# Altium PCB Prototipo1A.PcbDoc (part 1 of 2) (continued)
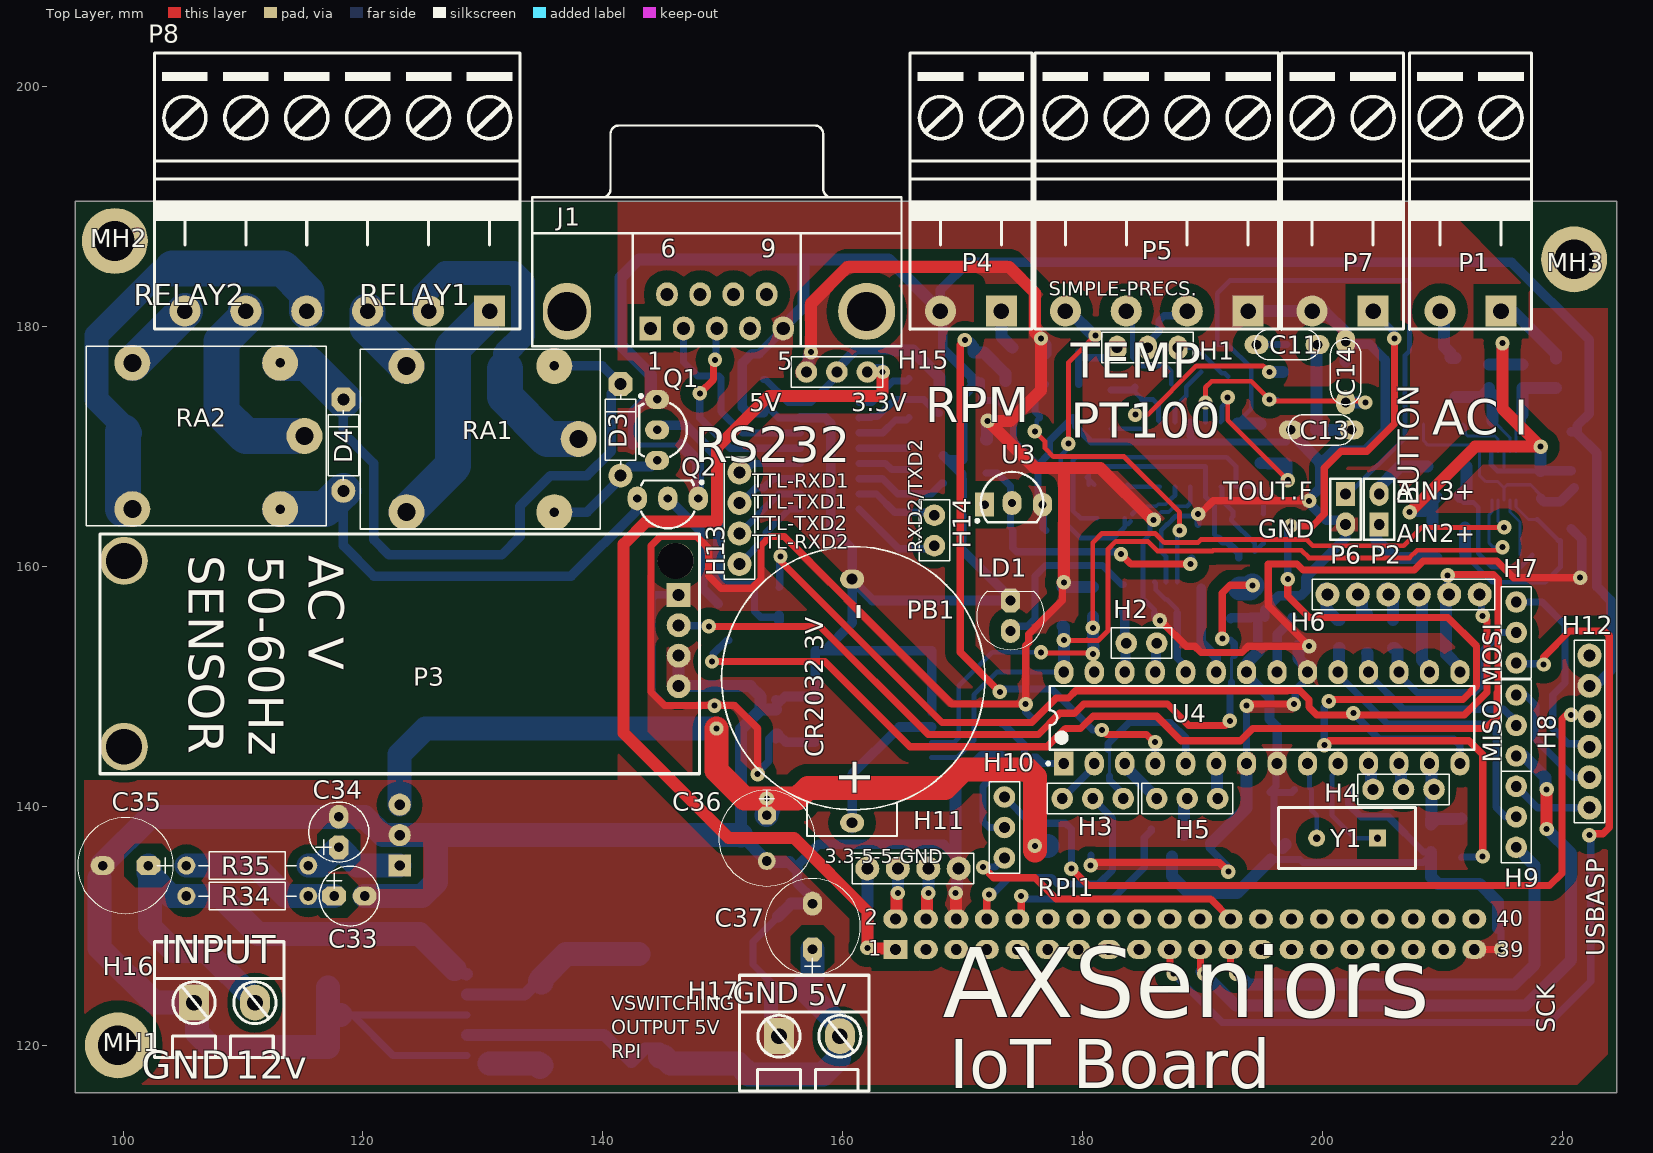
[diagram p0: Top Layer view]
## Footprints (in the part's own frame and the unit in brackets; to place one, negate y for a bottom-side part, rotate by r counter-clockwise, add the part's x,y. Pads: shape width x height; smd on the part's side, far side on the other; paste and mask are expansions set on the pad) (continued)
"MKDS 1,5 2-5,08" [mm] "PCB terminal block, nominal current: 17.5 A, nom. voltage: 400 V, pitch: 5.08 mm"
  rect 3x2.5 hole 1.3: 1(0,0)
  oval 3x2.5 hole 1.3: 2(0,-5.08)
  silkscreen extent -4.57,-7.49 5.08,3.3, body extent -4.6,-7.62 5.2,3.28, height 14.21
R0.25-400 [mm]
  round 1.5 hole 0.8: 1(-5.08,0) 2(5.08,0)
  silkscreen extent -4.06,-1.15 4.06,1.15, body extent -5.38,-1.15 5.38,1.15, height 2.3
"RELE RAS" [mm]
  round 3 hole 0.8: 1(-6.159,-6.096) 2(-6.16,6.096)
  round 3 hole 1.5: 3(6.159,6.096) 4(-8.191,0) 5(6.16,-6.096)
  silkscreen extent -10,-7.5 10,7.5, body extent -9.6,-7.87 9.6,7.63, height 15.51
rpi [mm]
  rect 2x1.6 hole 0.9: 1(24.13,1.27)
  oval 2x1.6 hole 0.9: 2(24.13,-1.27) 3(21.59,1.27) 4(21.59,-1.27) 5(19.05,1.27) 6(19.05,-1.27) 7(16.51,1.27) 8(16.51,-1.27) 9(13.97,1.27) 10(13.97,-1.27) 11(11.43,1.27) 12(11.43,-1.27) 13(8.89,1.27) 14(8.89,-1.27) 15(6.35,1.27) 16(6.35,-1.27) 17(3.81,1.27) 18(3.81,-1.27) 19(1.27,1.27) 20(1.27,-1.27) 21(-1.27,1.27) 22(-1.27,-1.27) 23(-3.81,1.27) 24(-3.81,-1.27) 25(-6.35,1.27) 26(-6.35,-1.27) 27(-8.89,1.27) 28(-8.89,-1.27) 29(-11.43,1.27) 30(-11.43,-1.27) 31(-13.97,1.27) 32(-13.97,-1.27) 33(-16.51,1.27) 34(-16.51,-1.27) 35(-19.05,1.27) 36(-19.05,-1.27) 37(-21.59,1.27) 38(-21.59,-1.27) 39(-24.13,1.27) 40(-24.13,-1.27)
  body extent -25.52,-2.63 25.53,2.38, height 8.5
SMD_2917 [mm] "Tantalum Capacitors - Solid SMD    Length 7.3 mm"
  rect 2.35x2.45 smd: 1(-3.1,0) 2(3.1,0)
  silkscreen extent -4.28,-2.15 3.65,2.15, body extent -3.65,-2.15 3.65,2.15, height 3.1
SMD_CHIP_CAP_CER_0603_TO_1206 [mm] "SMD_CHIP_CAP_CER_0603_TO_1206"
  rect 1.05x1.8 smd: 1(-1.625,0) 2(1.625,0)
  rect 1x1.3 smd: 1(-1.15,0) 2(1.15,0)
  rect 0.95x1 smd: 1(-0.825,0) 2(0.825,0)
  silkscreen extent -2.3,-1.1 2.3,1.1, body extent -1.6,-0.8 1.6,0.8, height 0.94
SMD_CHIP_Cap_Cer_1206 [mm] "SMD_CHIP_Cap_Cer_1206"
  rect 1.05x1.8 smd: 1(-1.625,0) 2(1.625,0)
  silkscreen extent -2.3,-1.1 2.3,1.1, body extent -1.6,-0.8 1.63,0.8, height 0.94
SMD_CHIP_FERRITE_1206 [mm] "SMD_CHIP_FERRITE_1206"
  rect 1.05x1.8 smd: 1(-1.625,0) 2(1.625,0)
  silkscreen extent -2.3,-1.1 2.3,1.1, body extent -1.6,-0.8 1.6,0.8, height 1.1
SMD_CHIP_RESISTOR_0603_TO_1206 [mm] "SMD_CHIP_RESISTOR_0603_TO_1206"
  rect 1.05x1.8 smd: 1(-1.625,0) 2(1.625,0)
  rect 1x1.3 smd: 1(-1.15,0) 2(1.15,0)
  rect 0.95x1 smd: 1(-0.825,0) 2(0.825,0)
  silkscreen extent -2.3,-1.1 2.3,1.1, body extent -1.57,-0.8 1.63,0.8, height 0.6
SMD_CHIP_RESISTOR_1206 [mm] "SMD_CHIP_RESISTOR_1206"
  rect 1.05x1.8 smd: 1(-1.625,0) 2(1.625,0)
  silkscreen extent -2.3,-1.1 2.3,1.1, body extent -1.57,-0.8 1.63,0.8, height 0.6
SOIC127P1030X265-16N [mm] "SOIC, 16-Leads, Body 10.5x7.5mm (max), Pitch 1.27mm, IPC Medium Density"
  oval 2.5x0.6 smd: 1(-4.85,4.445) 2(-4.85,3.175) 3(-4.85,1.905) 4(-4.85,0.635) 5(-4.85,-0.635) 6(-4.85,-1.905) 7(-4.85,-3.175) 8(-4.85,-4.445) 9(4.85,-4.445) 10(4.85,-3.175) 11(4.85,-1.905) 12(4.85,-0.635) 13(4.85,0.635) 14(4.85,1.905) 15(4.85,3.175) 16(4.85,4.445)
  silkscreen extent -4.67,-5.25 3,5.42, body extent -5.34,-5.25 5.29,5.25, height 2.56
SOT95P280X145-5N [mm]
  rect 1.15x0.6 smd: 1(-1.3,0.95) 2(-1.3,0) 3(-1.3,-0.95) 4(1.3,-0.95) 5(1.3,0.95)
  silkscreen extent -1.88,-1.45 0.38,1.5, body extent -1.4,-1.45 1.4,1.45, height 1.45
TI-DGS10_L [mm] "SOP, 10-Leads, Body 3x3mm, Pitch 0.5mm, IPC High Density"
  oval 1.45x0.25 smd: 1(-2.025,1) 2(-2.025,0.5) 3(-2.025,0) 4(-2.025,-0.5) 5(-2.025,-1) 6(2.025,-1) 7(2.025,-0.5) 8(2.025,0) 9(2.025,0.5) 10(2.025,1)
  silkscreen extent -2.15,-1.55 0.9,1.8, body extent -1.55,-1.55 1.55,1.55, height 1.1
"TO 220_DISIPADOR_HORIZONTAL_2" [mm] "MAS SEPARDO LOS PINS"
  rect 1.852x1.852 hole 0.862: 1(0,-1.27)
  round 1.852 hole 0.862: 2(2.54,-1.27) 3(5.08,-1.27)
  silkscreen extent -4.65,1.08 9.57,27.35
TO-92A-Pitch100MILS [mm] "TO, Flat Index; 3 In-Line, Axial Leads; Body Dia. 4.5mm; Leads 0.51 x 0.48 mm (max)"
  oval 2x1.6 hole 0.7: 1(0,-2.54) 2(0,0) 3(0,2.54)
  silkscreen extent -2.48,-2.95 1.5,2.22, body extent -2.54,-2.77 1.56,2.77, height 7.7
Z03A [mm] "TO, Flat Index; 3 In-Line, Axial Leads; Body Dia. 5mm; Leads 0.55 x 0.50 mm (max)"
  rect 2x1.6 hole 0.7: 1(0.127,-2.286)
  oval 2x1.6 hole 0.7: 2(0,0) 3(0.127,2.54)
  silkscreen extent -2.6,-3.02 1.6,2.6, body extent -2.6,-2.61 1.6,2.61, height 5.2
ZMPT101B_MODULE [mm] "AC VOLTAGE SENSOR"
  rect 2x2 hole 1: 1(23.125,4.92)
  round 2 hole 1: 2(23.125,2.38) 3(23.125,-0.16) 4(23.125,-2.7)
  round 4 hole 3: Hole(-23.125,-7.75) Hole(-23.125,7.75)
  round 3 hole 3: Hole(22.875,7.75)
  silkscreen extent -25.12,-10 24.87,10, body extent -24.87,-9.75 24.63,9.75, height 20.61

## Part data
C1 C2 C3 C4 C5 C6 C7 C8 C9 C10 C12 C15 C16 C17 C19 C20 C21 C24 C25 C27 C28 C29 C30 C36 C38: library part SMD_CHIP_CAP_CER_0603_TO_1206, "SMD_CHIP_CAP_CER_0603_TO_1206"
C11 C13 C14: library part "Cer Disc HV 820p 1kV", "820p 1kV Y5P", Price=0.072, Tip="Suntan 820pF 1kV Y5P"
C18 C26: library part SMD_CHIP_CAP_CER_1206, "SMD_CHIP_CAP_CER_1206"
C22 C23: library part CMP-2006-01814-1, Manufacturer=Vitramon, Part Number=VJ0603A150FXACW1BC
C31: library part SMD_2917, "T495X477K010ATE100", Manufacturer_Name=Kemet, Mouser Part Number=80-T495X477K10ATE100, RS Part Number=8015530P, Allied_Number=70610894, Allied Price/Stock=https://www.alliedelec.com/kemet-t495x477k010ate100/70610894/, Datasheet Link=http://www.kemet.com/Lists/ProductCatalog/Attachments/261/KEM_T2009_T495.pdf, Height=3.1mm, Manufacturer_Part_Number=T495X477K010ATE100, Mouser Price/Stock=https://www.mouser.com/Search/Refine.aspx?Keyword=80-T495X477K10ATE100, RS Price/Stock=http://uk.rs-online.com/web/p/products/8015530P
C33 C34: library part 10u-35V, "35V", Price=0.04
C35 C36 C37: library part 470u-25V, "25V", Price=0.15
D1: library part CMP-2000-05906-1, "Schottky Barrier Rectifier / , 50 V, 5 A, -55 to 150 degC, 2-Pin SMD, RoHS, Tape and Reel", If - Forward Current=5A, Ifsm - Forward Surge Current=100A, Ir - Reverse Current=500uA, Manufacturer=DiodesIncorporated, Maximum Operating Temperature=+125C, Minimum Operating Temperature=-55C, Operating Temperature Range=-55Cto+125C, Package / Case=SMC, Package Description="2-Pin Surface Mount Device, Body 6.855 x 5.905 mm", Vf - Forward Voltage=0.7V, Vrrm - Repetitive Reverse Voltage=50V, Brand=DiodesIncorporated, Configuration=Single, Datasheet URL=http://www.diodes.com/_files/datasheets/ds13012.pdf, Datasheet Version="Rev. 17-2, 07/2015", Factory Pack Quantity=3000, Height=2.5mm, Length=7.11mm, Manufacturer URL=http://www.diodes.com/, Mounting Style=SMD/SMT, Mounting Technology=SurfaceMount, Package Reference=SMC, Packaging=Reel, Product=SchottkyDiodes, Product Category=SchottkyDiodes&Rectifiers, RoHS=True, Series=B550, Technology=Si, Termination Style=SMD/SMT, Type=SchottkyBarrierRectifier, Unit Weight=0.007408oz, Width=6.22mm
D3 D4: "40V 1A", Price=0.07
DS1: library part DS3231, "SOIC, 16-Leads, Body 10.5x7.5mm (max), Pitch 1.27mm, IPC Medium Density"
H1: library part H-1x3, Price=0.03
H16 H17: "PCB terminal block, nominal current: 17.5 A, nom. voltage: 400 V, pitch: 5.08 mm"
IC1: "Integrated Circuit", Manufacturer_Name=STMicroelectronics, Mouser Part Number=511-LMV321RILT, RS Part Number=0426130P, Allied_Number=70390334, Allied Price/Stock=http://www.alliedelec.com/stmicroelectronics-lmv321rilt/70390334/, Datasheet Link=http://www.st.com/st-web-ui/static/active/en/resource/technical/document/datasheet/CD00079372.pdf, Height=1.45mm, Manufacturer_Part_Number=LMV321RILT, Mouser Price/Stock=https://www.mouser.com/Search/Refine.aspx?Keyword=511-LMV321RILT, RS Price/Stock=http://uk.rs-online.com/web/p/products/0426130P
J1: "Receptacle Assembly, 9 Position, Right Angle", PackageDocument=O, DatasheetDocument=1-Sep-1999, Gender=Receptacle, LatestRevisionDate=17-Jul-2002, LatestRevisionNote="Re-released for DXP Platform.", Orientation="Right Angle", PackageReference=788750, Positions=9, Published=15-Jun-2001, Publisher="Altium Limited"
L1 L2 L3: library part CHIP_FERRITE_BEAD_INDUCTOR_1206, "Chip Ferrite Bead Inductor"
L4: library part CMP-2000-07148-1, "Shielded SMD Power Inductor, 33 uH, +/- 20%, -40 to 125 degC, 2-Pin SMD, RoHS, Tape and Reel", DC Current Max=3.5A, DC Resistance Max=57MOhm, Inductance=33000nH, Manufacturer=Bourns, Maximum DC Resistance=57mO, Maximum Operating Temperature=+125°C, Maximum Self Resonant Frequency=9.5MHz, Minimum Operating Temperature=-40°C, Package Description="2-Pin Surface Mount Device, Body 12.5 x 12.5 mm", Package Reference=SRR1280-2, PartNumber=SRR1280, Tolerance=20%, Core Material=Ferrite, Datasheet URL=http://www.bourns.com/docs/Product-Datasheets/SRR1280.pdf, Datasheet Version="Rev. 03/15, 03/2015", Manufacturer URL=http://www.bourns.com/, Maximum DC Current=3.5A, Minimum Quality Factor=28, Mounting Technology=SurfaceMount, Package URL=http://www.bourns.com/docs/Product-Datasheets/SRR1280.pdf, Series=SRR1280
LD1: library part Led-5mm, "5mm", Price=0.05
P1 P2 P4 P6 P7: library part "Header 2", "Header, 2-Pin", LatestRevisionDate=17-Jul-2002, LatestRevisionNote="Re-released for DXP Platform.", Publisher="Altium Limited"
P3 P5: library part "Header 4", "Header, 4-Pin", LatestRevisionDate=17-Jul-2002, LatestRevisionNote="Re-released for DXP Platform.", Publisher="Altium Limited"
P8: "Header, 6-Pin", LatestRevisionDate=17-Jul-2002, LatestRevisionNote="Re-released for DXP Platform.", Publisher="Altium Limited"
Q1 Q2: "NPN General Purpose Amplifier", ComponentLink1Description="Manufacturer Link", ComponentLink1URL=http://www.fairchildsemi.com/, ComponentLink2Description=Datasheet, ComponentLink2URL=http://www.fairchildsemi.com/ds/2N%2F2N3904.pdf, DatasheetVersion=1997, LatestRevisionDate=15-Jan-2003, LatestRevisionNote="PCB Footprint 'BCY-W3/D4.7' replaced", PackageDescription="TO, Flat Index; 3 In-Line, Axial Leads; Body Dia. 4.5mm; Leads 0.51 x 0.48 mm (max)", PackageReference=TO-92A, PackageVersion=Sep-1998, Published=8-Jun-2000, Publisher="Altium Limited"
R1 R2 R3 R4 R5 R8 R10 R11 R12 R13 R14 R15 R16 R17 R18 R19 R20 R22 R23 R24 R25 R26 R27 R28 R29 R30 R31 R32 R36 R37: library part SMD_CHIP_RESISTOR_0603_TO_1206, "SMD_CHIP_RESISTOR_0603_TO_1206"
R6 R7 R9 R21 R33: library part SMD_CHIP_RESISTOR_1206, "SMD_CHIP_RESISTOR_1206"
R34 R35: library part R-0.25W, "0.25W 5% 250V", Price=0.01
RA1 RA2: library part "Relay RAS", "AC-120V 15A DC-14V 20A 30V 15A /0.36W", Price=1.8
RPI1: library part "rpi connector", "GPIO Header for Raspberry Pi A+/B+/Pi 2/Pi 3 - 2x20", Manufacturer="SparkFun Electronics", Manufacturer Part Number=PRT-14017, Supplier Part Number 1=1568-1462-ND, Accessory Type=Connector, Category="Development Boards, Kits, Programmers", ComponentLink1Description=https://cdn.sparkfun.com/datasheets/Dev/RaspberryPi/12313.pdf, ComponentLink1URL=https://cdn.sparkfun.com/datasheets/Dev/RaspberryPi/12313.pdf, For Use With/Related Products="Raspberry Pi", Nils Minor=author, nilsminor@web.de=mail, Part Status=Active, Pricing 1="1=1.84 (EUR)", RoHS="RoHS Compliant", Stock 1=150, Supplier 1=Digi-Key
U1: library part CMP-0003-00378-2, "16-Bit ADC with Integrated Multiplexer, PGA, Comparator, Oscillator, and Reference, -40 to 125 degC, 10-pin SOP (DGS10), Green (RoHS & no Sb/Br)", Analog Voltage AV/DD(Max)(V)=5.5, Analog Voltage AV/DD(Min)(V)=2, Manufacturer="Texas Instruments", # Input Channels=4, Architecture=Delta-Sigma, Code_JEDEC=MO-153, ComponentLink1Description="Manufacturer URL", ComponentLink1URL=http://www.ti.com/, ComponentLink2Description=Datasheet, ComponentLink2URL=http://www.ti.com/general/docs/lit/getliterature.tsp?genericPartNumber=ADS1115&fileType=pdf, ComponentLink3Description="Package Specification", ComponentLink3URL=http://www.ti.com/lit/ml/mpds035b/mpds035b.pdf, DatasheetVersion=SBAS444B, Digital Supply(Max)(V)=5.5, Digital Supply(Min)(V)=2, Eco-Plan="Green (RoHS & no Sb/Br)", INL(Max)(+/-LSB)=1, Interface="Serial I2C", Mounting Technology="Surface Mount", PackageDescription="10-Pin Plastic Small Outline, Body 3 x 3 mm, Pitch 0.5 mm", PackageReference=DGS10, PackageVersion="4073272/C, 02/2004", PartNumber=ADS1115IDGST, Resolution(Bits)=16, Sample Rate (max)(SPS)=860, SubFamily="Precision ADC (<=10MSPS)"
U2: library part CMP-1685-00010-1, "Quad Low-Voltage Rail-to-Rail Output Operational Amplifier, 2.7 to 5.5 V, -40 to 125 degC, 14-Pin SOIC (D), Green (RoHS & no Sb/Br), Tape and Reel", Code_JEDEC=MS-012, ComponentLink1Description="Manufacturer URL", ComponentLink1URL=http://www.ti.com/, ComponentLink2Description=Datasheet, ComponentLink2URL=http://www.ti.com/lit/ds/symlink/lmv324.pdf, ComponentLink3Description="Package Specification", ComponentLink3URL=http://www.ti.com/lit/ml/mpds177g/mpds177g.pdf, DatasheetVersion="SLOS263W, 10/2014", PackageDescription="14-Pin Small Outline Integrated Circuit, Body 8.65 x 3.9 mm, Pitch 1.27 mm", PackageReference=D0014A
U3: library part CMP-0074-00017-2, "Micropower Voltage Reference Diode, 3-pin TO-92, Pb-Free", Manufacturer="National Semiconductor", PackageTopMarking=NSXYTT*LM385*Z2.5, PowerWise=N, Code_JEDEC=TO-226-AA, ComponentLink1Description="LM385-2.5 Datasheet", ComponentLink1URL=http://www.national.com/ds/LM/LM385-2.5.pdf, ComponentLink2Description="LM385-2.5 Web Page", ComponentLink2URL=http://www.national.com/pf/LM/LM385-2.5.html, ComponentLink3Description="Z03A Package Page", ComponentLink3URL=http://www.national.com/packaging/folders/z03a.html, CompType="Voltage Reference IC", DatasheetVersion=Jan-2008, PackageDescription="TO-92, Molded, 3 Lead", PackageReference=Z03A, PackageVersion="revG, Sep-2000", PinCount=3, RevisionNote="Component URLs added", RoHS=Y
U4: library part CMP-0095-00013-2, "8-bit AVR Microcontroller, 32KB Flash, 1KB EEPROM, 2KB SRAM, 28-pin PDIP, Industrial Grade (-40°C to 85°C)", ComponentLink1Description="Manufacturer URL", ComponentLink1URL=http://www.atmel.com/, ComponentLink2Description="ATmega48A/48PA/88A/88PA/168A/168PA/328/328P Datasheet", ComponentLink2URL=http://www.atmel.com/dyn/resources/prod_documents/8271.pdf, ComponentLink3Description="ATmega48A/48PA/88A/88PA/168A/168PA/328/328P Summary", ComponentLink3URL=http://www.atmel.com/dyn/resources/prod_documents/8271S.pdf, DatasheetVersion="revD, May-2011", PackageDescription="28-lead (0.300\"/7.62mm Wide) Plastic Dual Inline Package (PDIP)", PackageReference=28P3, PackageVersion="revB, Sep-2001", RevisionNote="DatasheetVersion updated. URLs added."
U5: library part CMP-2000-06662-1, "Low-Power, True RS-232 Transceivers Using Four 0.1 uF External Capacitor, up to 1 Mbps, 3.0 to 5.5 V, 0 to 70 degC, 16-Pin SOIC (S16+1), RoHS, Tape and Reel", Manufacturer=MaximIntegrated, Maximum Operating Temperature=+70C, Minimum Operating Temperature=0C, Operating Supply Voltage=3Vto5.5V, Operating Temperature Range=0Cto+70C, Package / Case=SO-Narrow-16, Package Description="16-Pin Small Outline Integrated Circuit, Body 9.9 x 3.9 mm, Pitch 1.27 mm", Package Reference=S16+1, Package Version="Rev. G, 01/2016", Supply Current=1mA, =MAX3232, Brand=MaximIntegrated, Data Rate=235kbps, Datasheet URL=https://datasheets.maximintegrated.com/en/ds/MAX3222-MAX3241.pdf, Datasheet Version="Rev. 7, 01/2007", Factory Pack Quantity=2500, Function=Transceiver, Manufacturer URL=http://www.maximintegrated.com/, Mounting Style=SMD/SMT, Mounting Technology=SurfaceMount, Number of Drivers=2Driver, Number of I/Os=8, Number of Receivers=2Receiver, Package URL=http://pdfserv.maximintegrated.com/package_dwgs/21-0041.PDF, Packaging=Reel, Product Category=RS-232InterfaceIC, Propagation Delay Time ns=0.3us, RoHS=Details, Series=MAX3232, Shutdown=No
U7: library part CMP-0069-00269-3, "SIMPLE SWITCHER® Power Converter 150 KHz 3A Step-Down Voltage Regulator, 5-pin TO-263, Pb-Free", Manufacturer="Texas Instruments", PackageTopMarking="NSUZXYTTE#*LM2596S*-5.0 P+", PowerWise=N, Code_JEDEC=MO-169-AB, ComponentLink1Description="Datasheet URL", ComponentLink1URL=http://www.ti.com/general/docs/lit/getliterature.tsp?genericPartNumber=LM2596&fileType=pdf, CompType=Switcher, PackageDescription="TO-263, Molded, .400 x .390 x .180in, 5 Lead, .067in Pitch, Surface Mount", PackageReference=KTT0005B, PinCount=5, RoHS=Y
H2 H14: Price=0.02
H3 H4 H5 H7 H8 H9 H10 H15: Price=0.03
H6 H12: Price=0.06
H11 H13: Price=0.04
U6: Price=0.312

## Via types
v1: diameter 1.2, hole 0.5, Top Layer to Bottom Layer, 81 vias

## Nets (pads, with @x,y where several pads share a name; then routed paths per layer and width w, separated by ;. In a path a pad name is that pad's centre, name@x,y a point inside that pad or via, vN(x,y) a via of type N, cw(c..) or ccw(c..) an arc to the next point about the centre after c; other vN are vias at no path point)
2.5V: C10.2 R10.1 R13.2 U3.2 | length 23.2
  Top Layer w0.6: v1(183.197,161.008) 184.023,160.182 v1(188.976,160.182)
  Bottom Layer w0.6: R10.1@171.958,167.764 172.885,167.764 173.993,166.656 C10.2@173.993,163.271 ; C10.2@174.173,162.976 174.173,161.523 174.498,161.198 183.007,161.198 v1(183.197,161.008) ; v1(188.976,160.182) 188.976,160.57 v1@189.096,160.69
7805_IN: C34.1 R35.2 U6.1 | length 8.9
  Bottom Layer w2: R35.2@115.443,135.036 116.459,135.036 C34.1@117.983,136.56 119.507,135.036 U6.1@123.063,135.036
7805_OUT: C36.1@153.67,139.227 L3.1 U6.3 | length 72.5
  Top Layer w2: v1(149.479,146.466) 149.479,142.963 151.818,140.624 v1(153.67,140.624) 156.21,140.624 157.099,141.513 168.529,141.513 170.053,143.037 175.387,143.037 176.022,142.402 v1(176.022,136.687) v1@176.022,136.306
  Bottom Layer w2: U6.3@123.063,140.116 123.063,144.307 125.222,146.466 v1(149.479,146.466) ; C36.1@153.628,139.269 154.009,140.285 v1(153.67,140.624) ; v1(176.022,136.687) L3.1@177.064,136.687
+3.3V_RPI: H11.1 H15.1 RPI1.1 | length 88.4
  Top Layer w1: v1(163.322,176.184) 163.322,174.531 162.99,174.199 153.844,174.199 149.509,169.864 149.509,163.738 143.637,163.738 141.732,161.833 141.732,146.085 150.475,137.342 155.936,137.342 162.052,131.226 v1(162.052,128.178) 162.119,128.111 164.327,128.111 RPI1.1@164.394,128.043
  Bottom Layer w1: v1(162.052,128.178) H11.1@162.052,134.782 H11.1@162.052,135.29 ; H15.1@162.052,176.184 162.205,176.337 163.294,176.337 163.322,176.365 v1(163.322,176.184)
+5f: C18.2 C19.1 C25.2 C31.1 DS1.2 H15.3 IC1.5 L1.1 L3.2 P3.1 R10.2 R22.2 R25.2 R26.2 R27.2 U2.4 U4.7 U4.20 | length 287
  Top Layer w0.6: v1(152.908,142.656) 152.908,146.466 151.003,148.371 v1(149.308,148.371) 145.161,148.371 144.022,149.51 144.022,161.71 144.808,162.496 147.8,162.496 148.834,161.462 148.834,159.176 149.86,158.15 152.4,158.15 153.181,158.931 153.181,161.725 153.924,162.468 155.119,162.468 169.089,148.498 v1(175.26,148.498) 175.26,153.388 175.514,153.642 175.514,154.34 178.326,157.152 178.326,158.543 v1(178.435,158.652) ; v1@180.682,135.073 180.9,135.29 191.389,135.29 v1(192.151,134.528) ; v1(186.436,155.483) 186.475,155.483 188.634,153.324 189.357,153.324 189.876,152.805 193.283,152.805 193.802,153.324 v1(198.882,153.324) 195.478,156.728 195.478,160.182 197.866,160.182 198.374,159.674 207.645,159.674 208.407,160.436 214.522,160.436 215.919,159.039 v1(221.488,159.039) ; v1(193.675,148.371) 193.802,148.498 v1(197.612,148.498)
  Top Layer w1: v1(157.353,177.835) 157.353,181.899 160.401,184.947 173.863,184.947 176.022,182.788 176.022,179.486 v1(176.53,178.978) 176.53,174.66 173.99,172.12 v1(172.085,172.12) 176.022,168.183 178.308,168.183 ; v1(178.435,158.652) 178.435,168.056 178.308,168.183 ; v1(185.928,163.865) 185.801,163.865 181.483,168.183 178.308,168.183
  Bottom Layer w0.3: 186.379,164.318 186.579,164.518 187.195,164.518 187.685,165.008 188.722,165.008
  Bottom Layer w0.4: v1(185.928,163.865) 185.61,163.548 185.61,162.659 185.039,162.087 185.039,157.318 185.994,156.363 IC1.5@185.994,156.088 ; 188.722,165.008 188.976,165.262 U2.4@188.976,166.626
  Bottom Layer w0.6: P3.1@146.326,157.612 144.426,157.612 144.075,157.261 144.075,149.457 145.161,148.371 v1(149.308,148.371) ; v1(152.908,142.656) 152.908,142.818 153.832,143.742 153.832,145.628 154.282,146.078 C25.2@154.432,146.078 ; v1(175.26,148.498) 175.26,147.837 R27.2@175.768,147.329 ; v1(180.67,135.06) 180.695,135.085 L3.2@180.695,135.925 ; IC1.5@185.994,156.088 185.994,155.813 186.324,155.483 v1(186.436,155.483) ; C31.1@190.702,136.814 190.754,136.762 190.526,136.534 192.151,134.909 v1(192.151,134.528) ; U4.7@193.675,143.545 v1(193.675,148.371) ; v1(197.612,148.498) 197.727,148.613 197.727,149.666 198.755,150.694 U4.20@198.755,151.165 ; C18.2@197.967,153.324 v1(198.882,153.324)
  Bottom Layer w0.8: C25.2@154.432,145.603 154.682,145.853 C25.2@154.682,145.901 ; C25.2@154.432,146.078 154.582,146.078 154.682,145.978 C25.2@154.682,145.901 ; DS1.2@157.71,145.323 155.26,145.323 C25.2@154.682,145.901 ; L1.1@220.726,163.129 221.615,162.24 v1@221.615,159.039
  Bottom Layer w1: H15.3@156.972,176.184 157.163,176.375 157.163,177.483 157.353,177.673 v1(157.353,177.835) ; R10.2@171.958,170.539 172.021,170.539 172.021,172.057 v1(172.085,172.12) ; v1(176.53,178.978) 176.53,178.816 176.904,178.442 R22.2@176.904,177.708 ; v1(178.435,158.652) 178.435,158.378 R26.2@178.308,158.251 R25.2@180.848,158.251 ; C31.1@190.702,136.814 190.702,136.864 193.668,139.83 C19.1@193.668,141.132 193.668,143.538 U4.7@193.675,143.545 ; C18.2@197.967,153.324 197.992,153.299 197.992,152.29 198.755,151.527 U4.20@198.755,151.165
+5RPI: C37.1 C38.2 H17.2 L4.2 U7.4 | length 44.9
  Bottom Layer w1: U7.4@128.66,120.89 128.685,120.915 140.105,120.915 142.367,118.653 142.411,118.653 143.53,119.772 144.78,119.772
  Bottom Layer w2: L4.2@144.78,119.137 145.045,119.137 145.656,118.526 151.276,118.526 152.165,117.637 158.369,117.637 159.67,118.938 159.67,120.716 H17.2@159.766,120.812 159.766,121.708 C38.2@156.598,124.876 ; C38.2@157.073,124.876 C38.2@156.598,124.876 ; C37.1@157.48,128.051 157.48,125.758 C38.2@156.598,124.876
+5V_RPI_1: H11.3 RPI1.4 | length 4.8
  Top Layer w1: RPI1.4@166.934,130.583 167.033,130.682 167.033,132.651 v1(167.132,132.75)
  Bottom Layer w1: v1(167.132,132.75) H11.3@167.132,135.29
+5V_RPI_2: H11.2 RPI1.2 | length 4.8
  Top Layer w1: RPI1.2@164.394,130.583 164.493,130.682 164.493,132.651 v1(164.592,132.75)
  Bottom Layer w1: v1(164.592,132.75) H11.2@164.592,135.29
+12: C35.1 C36.2@122.809,129.474 C36.2@122.809,129.949 C36.2@122.809,130.274 H16.2 R34.1 U7.1 | length 45.9
  Bottom Layer w1: U7.1@128.524,126.015 128.549,125.99 U7.1@128.66,125.99 U7.1@128.635,125.965
  Bottom Layer w2: C35.1@102.108,135.036 102.108,134.401 C35.1@102.235,134.274 ; C35.1@102.235,134.655 C35.1@102.235,134.274 ; H16.2@110.998,123.606 110.998,123.856 106.93,127.924 104.235,127.924 102.235,129.924 C35.1@102.235,134.274 ; U7.1@127.635,126.4 124.714,129.321 111.252,129.321 108.077,132.496 R34.1@105.283,132.496 104.013,132.496 C35.1@102.235,134.274
+12V: D3.2 D4.2 RA1.1 RA2.1 | length 56.7
  Bottom Layer w0.8: D4.2@118.364,173.898 118.364,171.104 120.904,168.564 120.904,162.214 122.174,160.944 131.572,160.944 133.096,162.468 133.096,165.008 135.636,167.548 138.684,167.548 140.716,169.58 140.716,174.406 D3.2@141.478,175.168 139.954,176.692 RA1.1@135.953,176.692
  Bottom Layer w3: RA2.1@113.093,176.946 115.316,176.946 D4.2@118.364,173.898
ADS1115_AIN0: P1.2 R1.2 | length 4.6
  Bottom Layer w1: P1.2@209.804,181.264 210.11,180.958 210.11,178.328 210.674,177.764 210.674,177.389 210.699,177.364 R1.2@211.074,177.364
ADS1115_AIN1: P1.1 R3.2 | length 6.5
  Bottom Layer w1: P1.1@214.884,181.264 215.9,181.264 219.456,177.708 R3.2@219.456,177.301
ADS1115_AIN2: P2.1 R4.2 | length 7.2
  Bottom Layer w1: P2.1@204.47,163.738 204.47,162.214 205.994,160.69 R4.2@208.56,160.69 R4.2@209.035,160.69 R4.2@209.36,160.69 R4.2@209.487,160.69
ADS1115_AIN3: P2.2 R5.2 | length 5.1
  Bottom Layer w1: P2.2@204.47,166.278 204.47,166.316 206.464,168.31 R5.2@208.75,168.31
ADS1115_GNDF: C1.1 C3.2 C4.1 C5.1 C7.2 L2.2 U1.1 U1.3 | length 44
  Top Layer w1: v1(207.264,164.5) 212.725,169.961 v1(218.186,169.961) 215.011,173.136 v1(215.011,178.597)
  Bottom Layer w0.254: 215.138,167.936 U1.3@215.138,169.573
  Bottom Layer w0.4: U1.1@214.063,169.498 214.063,168.787 214.055,168.779 214.055,168.448 214.567,167.936 215.138,167.936 C4.1@218.186,167.936
  Bottom Layer w0.8: C4.1@218.186,167.936 218.195,167.946 220.716,167.946 L2.2@220.726,167.955
  Bottom Layer w1: v1(207.264,164.5) 207.379,164.615 208.512,164.615 208.651,164.754 209.162,164.754 ; C5.1@209.099,163.222 209.162,163.285 209.162,164.754 ; C7.2@209.487,165.762 209.162,165.437 209.162,164.754 ; C1.1@213.868,176.826 215.018,176.826 ; v1(215.011,178.597) 215.018,178.59 215.018,176.826 ; C3.2@216.662,176.826 215.018,176.826 ; C4.1@218.186,167.936 C4.1@218.186,168.411 v1(218.186,169.961)
ADS1115_VDDF: C4.2 L1.2 R2.1 U1.8 | length 19
  Bottom Layer w0.254: R2.1@208.433,171.866 208.433,170.443 208.788,170.088 212.852,170.088 213.106,169.834 213.106,167.548 213.614,167.04 214.63,167.04 215.138,166.532 ; U1.8@215.138,165.523 215.138,166.532 ; C4.2@218.186,165.961 218.161,165.961 217.336,166.786 215.392,166.786 215.138,166.532
  Bottom Layer w0.8: C4.2@218.186,165.636 218.459,165.363 219.811,165.363 L1.2@220.98,166.532
AVR_INPUT1: C24.2 H4.3 R33.1 U4.13 | length 8.1
  Bottom Layer w1: U4.13@208.915,143.545 208.915,143.183 209.105,142.993 209.105,141.577 H4.3@209.296,141.386 209.105,141.195 209.105,138.924 209.042,138.861 C24.2@209.042,138.472 209.492,138.922 211.557,138.922 R33.1@211.582,138.947
AVR_MISO: H8.2 R31.2 U4.18 | length 15.8
  Bottom Layer w0.6: U4.18@203.835,151.165 203.835,150.965 206.726,148.074 215.095,148.074 215.941,147.228 H8.2@216.154,147.228
  Bottom Layer w1: R31.2@203.708,152.778 203.746,152.778 203.771,152.753 203.771,151.229 U4.18@203.835,151.165
AVR_MOSI: H7.2 R32.2 U4.17 | length 16.6
  Bottom Layer w0.6: U4.17@206.375,151.165 206.375,150.965 207.875,149.465 212.676,149.465 213.487,150.276 213.487,153.07 214.884,154.467 H7.2@216.154,154.467
  Bottom Layer w1: R32.2@205.867,153.19 206.017,153.19 206.26,152.947 206.26,151.28 U4.17@206.375,151.165
AVR_RESET: C21.2 H10.2 R27.1 U4.1 | length 16.7
  Bottom Layer w0.6: C21.2@173.228,146.854 173.378,146.854 175.168,145.064 175.168,144.304 175.268,144.204 R27.1@175.393,144.079 ; H10.2@173.482,138.211 172.212,138.211 171.704,138.719 171.704,141.64 172.646,142.582 173.939,142.582 175.168,143.811 175.168,143.854 R27.1@175.393,144.079 ; U4.1@178.435,143.545 176.677,143.545 176.143,144.079 R27.1@175.768,144.079 R27.1@175.393,144.079
AVR_SCK: H9.2 R29.2 U4.19 | length 26
  Bottom Layer w0.6: U4.19@201.295,151.165 201.295,150.965 205.413,146.847 214.131,146.847 214.454,146.524 214.454,139.911 215.265,139.1 H9.2@216.154,139.1
  Bottom Layer w1: U4.19@201.295,151.165 201.358,151.229 201.358,152.715 201.358,153.19 R29.2@201.422,153.19